# Altium PCB R2_EmberNet Pod Layout.PcbDoc (part 2 of 2)
Units mm, origin at the board's own origin, x right, y up, seen from the top; angles counter-clockwise.
Board outline 78.51 x 78.51 mm, 4 copper layers (Top Layer, Ground Layer, Power Layer, Bottom Layer), stack 0.844 mm thick; 158 components, 96 nets, 433 pads, 349 vias.
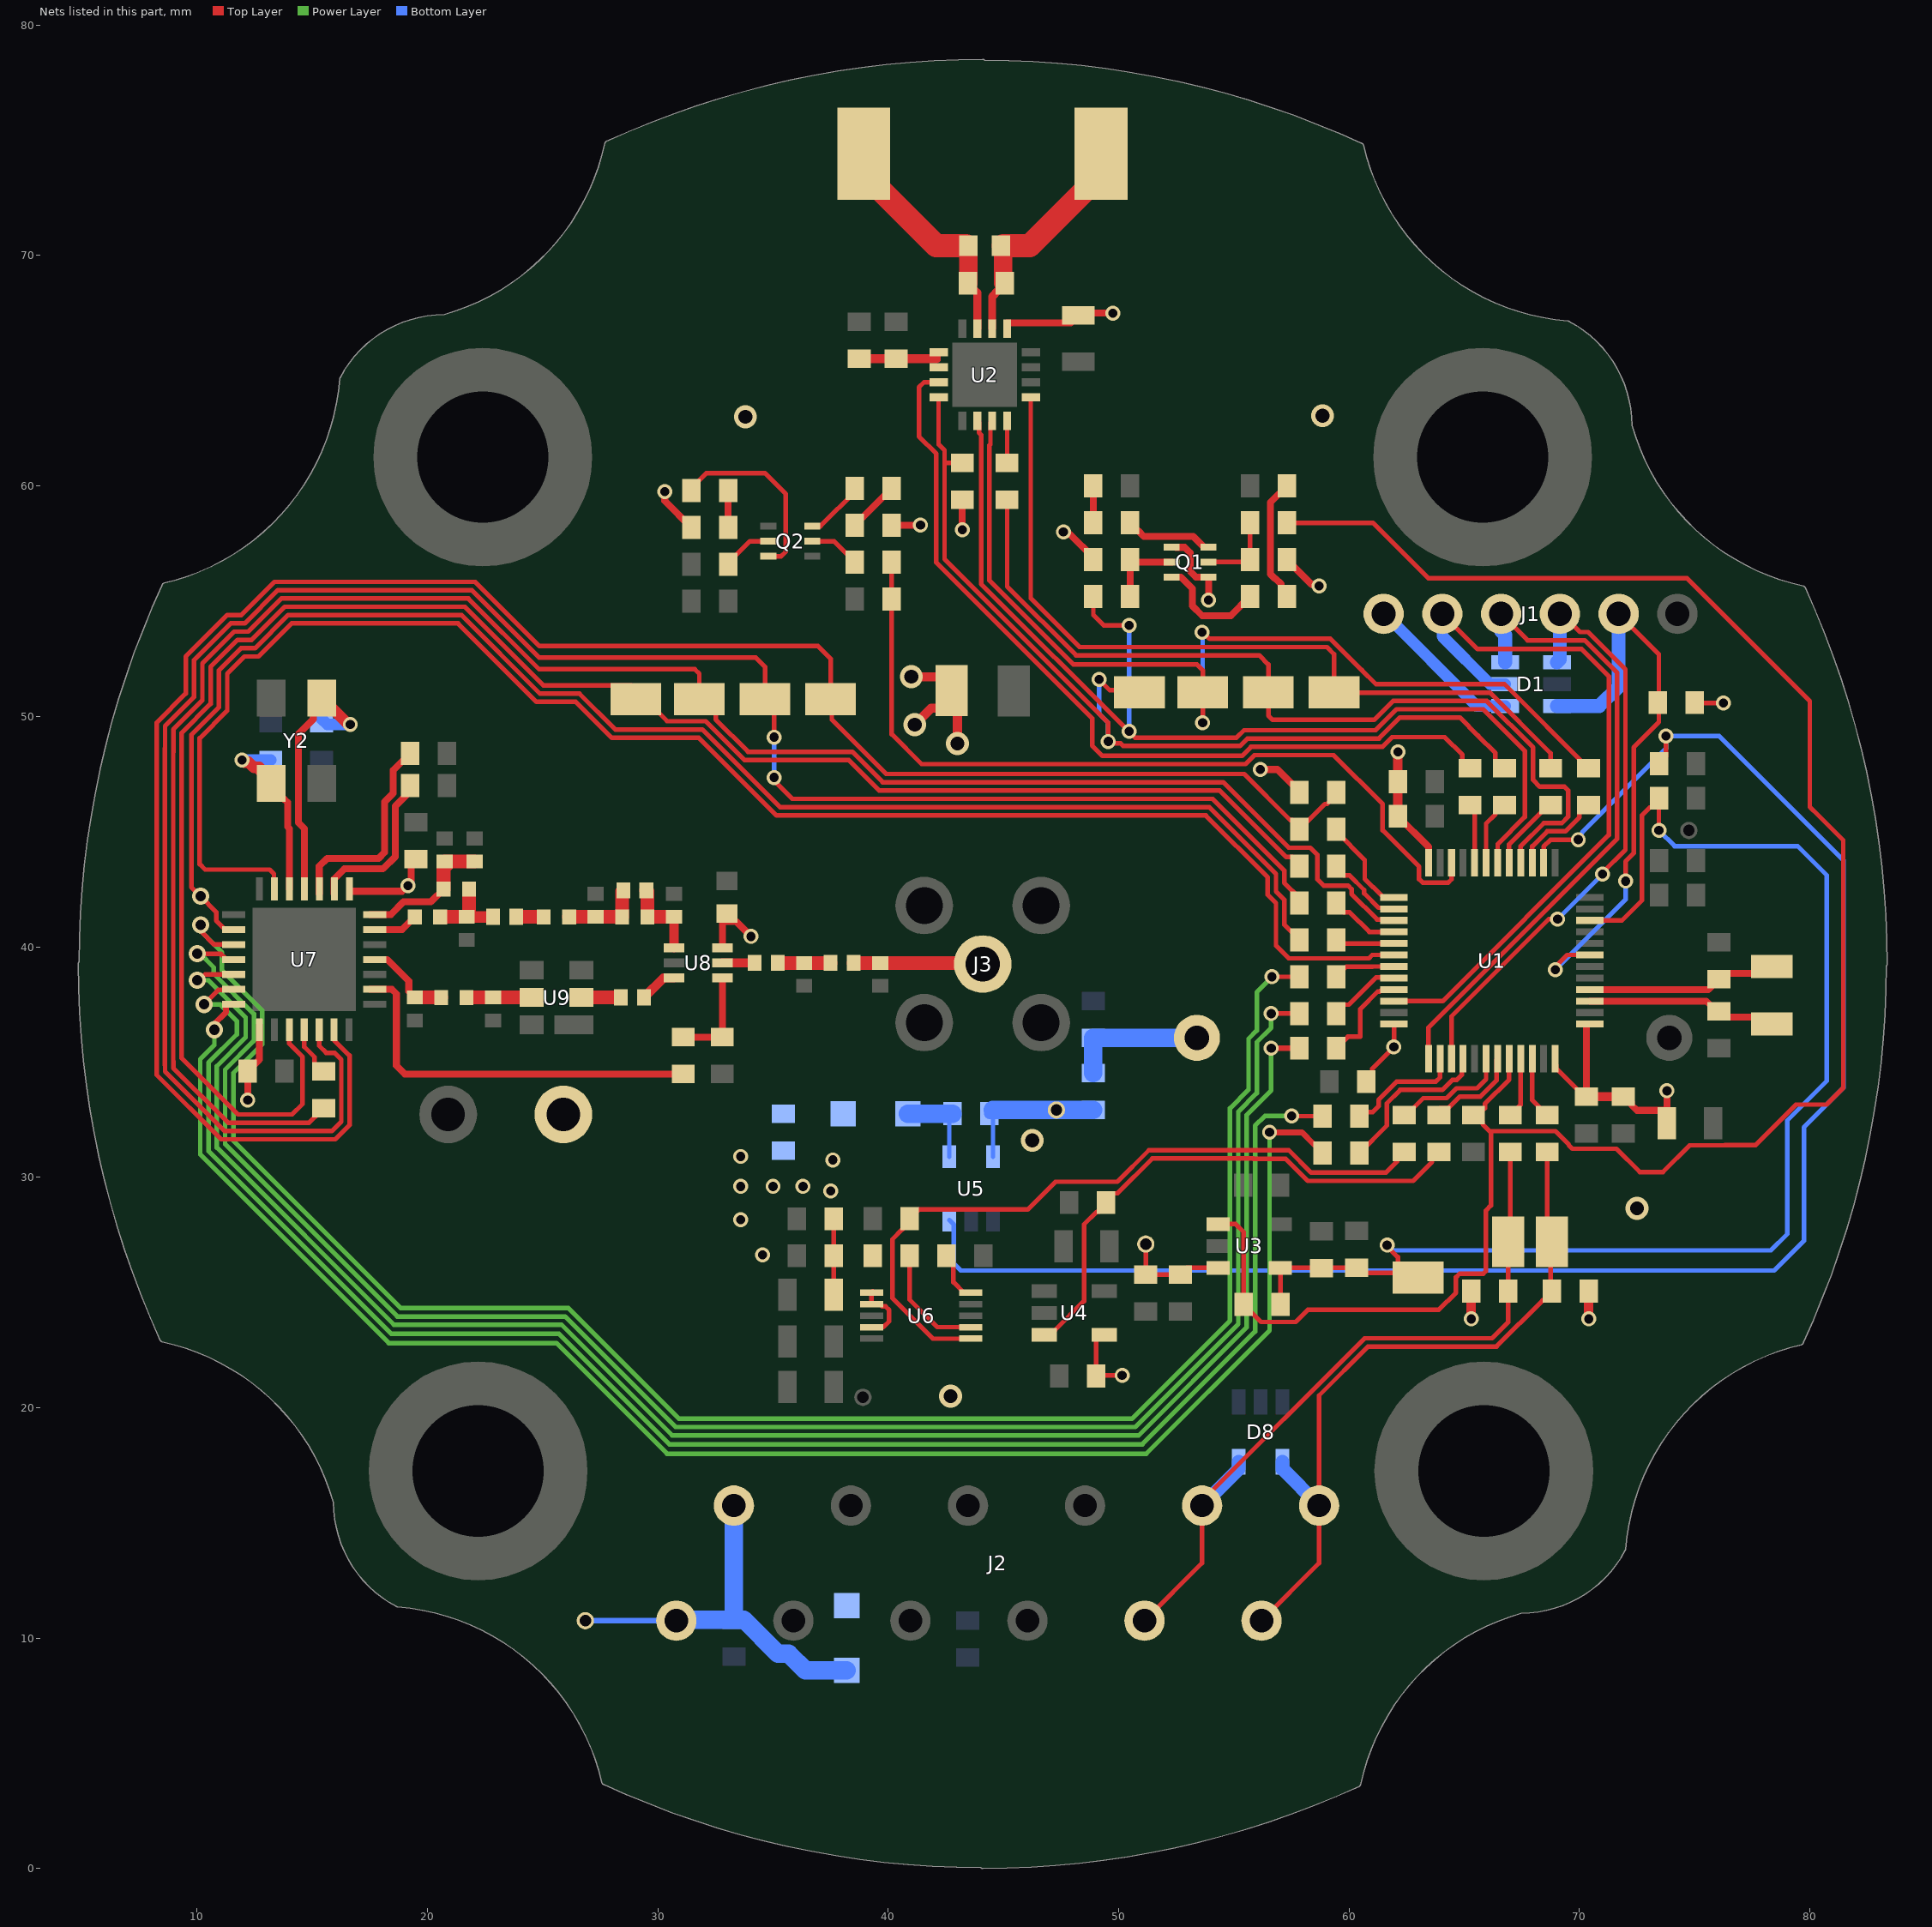
[diagram p4: the nets of this part, all layers, seen from the top]

## Via types
v1: diameter 0.65, hole 0.397, Top Layer to Bottom Layer, 266 vias
v2: diameter 0.8, hole 0.4, Top Layer to Bottom Layer, 51 vias
v3: diameter 1, hole 0.6, Top Layer to Bottom Layer, 17 vias
v4: diameter 0.7, hole 0.35, Top Layer to Bottom Layer, 9 vias
v5: diameter 0.75, hole 0.45, Top Layer to Bottom Layer, 6 vias

## Nets (pads, with @x,y where several pads share a name; then routed paths per layer and width w, separated by ;. In a path a pad name is that pad's centre, name@x,y a point inside that pad or via, vN(x,y) a via of type N, cw(c..) or ccw(c..) an arc to the next point about the centre after c; other vN are vias at no path point) (continued)
I2C_SCL: D8.5 J2.5 R4.1 R16.1 SCL.1 | length 33
  Top Layer w0.2: J2.5@51.12,10.75 53.62,13.25 J2.5@53.62,15.75 53.62,15.954 60.676,23.01 66.21,23.01 66.9,23.7 R16.1@66.9,25.05 SCL.1@66.9,27.192 67,27.292 R4.1@67,31.095
  Bottom Layer w0.2: J2.5@53.62,15.75 J2.5@53.9,15.75
  Bottom Layer w0.6: J2.5@53.62,15.75 55.214,17.344 D8.5@55.214,17.65
I2C_SDA: D8.4 J2.6 R5.1 R17.1 SDA.1 | length 31.7
  Top Layer w0.2: J2.6@56.2,10.75 58.7,13.25 J2.6@58.7,15.75 58.7,20.525 60.825,22.65 66.4,22.65 68.4,24.65 68.5,24.65 68.8,24.95 R17.1@68.8,25.05 68.75,25.1 68.75,26.768 68.8,26.818 SDA.1@68.8,27.15 ; R5.1@68.6,31.095 68.6,27.35 SDA.1@68.8,27.15 ; SDA.1@68.8,27.2 SDA.1@68.8,27.15
  Top Layer w0.35: R5.1@68.6,31.095 R5.1@68.68,31.095
  Bottom Layer w0.6: D8.4@57.114,17.65 57.114,17.336 J2.6@58.7,15.75
IO_DEBUG: R29.2 R31.2 U1.22 | length 36.5
  Top Layer w0.2: R29.2@40.15,56.7 R31.2@40.15,55.1 40.15,49.227 41.448,47.929 55.5,47.929 55.891,48.32 59.33,48.32 61.458,46.192 61.458,45.057 63.04,43.475 63.04,42.937 63.192,42.785 64.304,42.785 64.45,42.931 U1.22@64.45,43.645
iSENSE_ADC: C22.2 U1.14 U5.3 | length 76.4
  Top Layer w0.2: U1.14@68.45,43.645 68.45,44.349 68.751,44.65 v1(69.95,44.65) ; C22.2@73.45,47.95 73.75,48.25 v1(73.75,49.15)
  Bottom Layer w0.2: U5.3@42.647,28.141 42.847,27.941 42.847,26.247 43.144,25.95 78.451,25.95 79.743,27.242 79.743,32.168 81.455,33.879 81.455,43.753 76.058,49.15 v1(73.75,49.15) 73.75,48.6 70.117,44.967 70.117,44.939 69.95,44.772 v1(69.95,44.65)
LTNG_WDG: R24.2 U1.18 U2.10 | length 47.3
  Top Layer w0.2: U2.10@43.86,62.825 43.935,62.75 43.935,62.315 44.03,62.22 44.03,55.752 50.441,49.341 50.707,49.075 55.119,49.075 55.444,49.4 61.151,49.4 62.061,50.31 65.822,50.31 67.63,48.502 67.63,45.636 66.45,44.456 U1.18@66.45,43.645 ; R24.2@48.9,55.2 48.9,54.4 49.35,53.95 v1(50.45,53.95)
  Bottom Layer w0.2: v1(50.45,49.35) v1(50.45,53.95)
NetC9_2: C9.2 U1.3 Y1.2 | length 8.3
  Top Layer w0.3: U1.3@70.45,37.645 75.505,37.645 75.95,37.2 C9.2@76.05,37.2 76.3,36.95 78.05,36.95 Y1.2@78.35,36.65
NetC10_1: C10.1 U1.4 Y1.1 | length 8.3
  Top Layer w0.3: U1.4@70.45,38.145 75.595,38.145 C10.1@76.05,38.6 76.3,38.85 78.05,38.85 Y1.1@78.35,39.15
NetC12_1: C12.1 L1.1 R10.1 U2.3 | length 10.4
  Top Layer w0.2: L1.1@38.935,73.575 L1.1@38.935,74.425
  Top Layer w0.35: R10.1@43.45,68.8 43.86,68.39 U2.3@43.86,66.825
  Top Layer w0.8: R10.1@43.485,68.8 C12.1@43.485,70.425
  Top Layer w1: L1.1@38.935,73.575 42.083,70.427 C12.1@43.375,70.427
NetC12_2: C12.2 L1.2 R10.2 U2.2 | length 10.5
  Top Layer w0.2: L1.2@49.235,73.525 L1.2@49.235,74.425
  Top Layer w0.35: U2.2@44.51,66.825 44.51,68.214 ; R10.2@44.78,68.484 44.51,68.214 ; R10.2@45.05,68.8 44.51,68.214
  Top Layer w0.8: R10.2@44.985,68.8 C12.2@44.985,70.325
  Top Layer w1: C12.2@45,70.427 46.137,70.427 L1.2@49.235,73.525
NetC13_2: C13.2 C14.2 U2.5 U2.6 | length 3.8
  Top Layer w0.2: 42.085,65.575 42.185,65.475 U2.5@42.185,65.8
  Top Layer w0.4: C14.2@38.735,65.525 C13.2@40.335,65.525 42.085,65.525
NetC18_1: C18.1 D6.2 D7.2 F1.1 | length 0
  Bottom Layer w0.8: C18.1@25.9,32.725 C18.1@25.925,32.75
NetC29_2: C29.2 U7.3 | length 9
  Top Layer w0.3: U7.3@15.3,42.3 15.3,42.51 15.3,43.5 15.64,43.84 17.878,43.84 18.14,44.102 18.14,46.291 18.51,46.661 18.51,47.66 C29.2@19.25,48.4
NetC30_2: C30.2 U7.2 | length 7
  Top Layer w0.3: U7.2@15.95,42.3 15.95,42.938 16.392,43.38 18.069,43.38 18.6,43.911 18.6,46.1 19.25,46.75 C30.2@19.25,47
NetC33_2: C33.2 U7.4 Y2.3 | length 11.9
  Top Layer w0.3: 14.385,49.217 15.05,49.882 15.05,50.42 Y2.3@15.42,50.79 ; 14.4,49.217 14.4,45.387 14.66,45.127 U7.4@14.66,42.51
  Top Layer w0.5: Y2.3@15.42,50.79 16.56,49.65 v1(16.65,49.65)
  Bottom Layer w0.5: C33.2@15.4,49.9 15.65,49.65 v1(16.65,49.65)
NetC34_1: C34.1 U7.5 Y2.1 | length 8
  Top Layer w0.3: Y2.1@13.22,47.09 13.22,46.915 13.695,46.44 13.749,46.44 13.925,46.264 13.925,45.212 14.01,45.127 U7.5@14.01,42.51
  Top Layer w0.5: v1(11.95,48.1) 12.036,48.014 12.236,48.014 12.465,47.785 12.695,47.785 12.695,47.7 13.22,47.175 Y2.1@13.22,47.09
  Bottom Layer w0.5: v1(11.95,48.1) C34.1@13.2,48.1
NetC38_1: C38.1 C43.2 L5.2 U8.1 | length 3.7
  Top Layer w0.4: U8.1@30.7,39.96 C43.2@30.7,41.3
  Top Layer w0.6: C38.1@29.5,42.45 29.55,42.4 L5.2@29.55,41.3 C43.2@30.7,41.3
NetC38_2: C38.2 C42.2 L4.2 L5.1 | length 3.5
  Top Layer w0.6: L4.2@26.15,41.3 C42.2@27.3,41.3 L5.1@28.45,41.3 28.45,42.4 C38.2@28.5,42.45
NetC39_1: C39.1 C41.2 L2.1 L3.2 | length 3.5
  Top Layer w0.5: C41.2@21.7,41.3 C39.1@22.85,41.3
  Top Layer w0.6: L3.2@20.55,41.3 C41.2@21.7,41.3 21.8,41.4 L2.1@21.8,42.5
NetC39_2: C39.2 L4.1 | length 1.2
  Top Layer w0.6: C39.2@23.85,41.3 L4.1@25.05,41.3
NetC40_1: C40.1 C44.2 R39.2 | length 2.3
  Top Layer w0.6: C40.1@35.2,39.3 R39.2@37.5,39.3
NetC40_2: C40.2 U8.5 | length 1.4
  Top Layer w0.4: U8.5@32.795,39.3 U8.5@32.8,39.3 C40.2@34.2,39.3
NetC45_2: C45.2 J3.1 R39.1 | length 5.6
  Top Layer w0.6: R39.1@38.5,39.3 C45.2@39.65,39.3 44.05,39.3 J3.1@44.1,39.25
NetC46_1: C46.1 U8.3 | length 1.7
  Top Layer w0.4: C46.1@29.4,37.8 30.25,38.65 U8.3@30.7,38.65
NetC46_2: C46.2 U9.2 | length 1.7
  Top Layer w0.6: U9.2@26.685,37.8 C46.2@28.4,37.8
NetC47_2: C47.2 R40.1 U8.4 | length 4.3
  Top Layer w0.3: R40.1@31.1,36.08 C47.2@32.795,36.08 ; C47.2@32.8,36.09 U8.4@32.8,38.65
NetC49_2: C49.2 L6.2 U9.5 | length 2.8
  Top Layer w0.6: L6.2@21.7,37.8 C49.2@22.85,37.8 U9.5@24.525,37.8
NetD2_1: D2.1 R21.2 | length 2.4
  Top Layer w0.3: R21.2@38.55,58.3 38.55,58.4 38.8,58.65 38.9,58.65 39.8,59.55 39.9,59.55 40.15,59.8 D2.1@40.15,59.9
NetD2_2: D2.2 Q2.6 | length 2.6
  Top Layer w0.2: Q2.6@36.7,58.25 37.05,58.25 D2.2@38.625,59.825
NetD3_1: D3.1 R22.2 | length 1.6
  Top Layer w0.3: R22.2@33.05,58.2 D3.1@33.05,59.8
NetD3_2: D3.2 Q2.3 | length 8
  Top Layer w0.2: D3.2@31.5,59.95 32.11,60.56 34.64,60.56 35.55,59.65 35.55,57.15 35.35,56.95 Q2.3@34.8,56.95
NetD4_1: D4.1 R26.2 | length 1.6
  Top Layer w0.3: R26.2@48.9,58.4 D4.1@48.9,60
NetD5_1: D5.1 R27.2 | length 5.5
  Top Layer w0.3: R27.2@57.3,55.2 57.05,55.45 57.05,55.74 56.8,55.99 56.772,55.99 56.59,56.172 56.59,59.29 56.95,59.65 57.05,59.65 57.3,59.9 D5.1@57.3,60
NetD7_1: D7.1 R33.2 U5.4 | length 3.7
  Bottom Layer w0.2: U5.4@42.647,30.891 R33.2@42.647,32.616
  Bottom Layer w0.8: D7.1@40.85,32.75 R33.2@42.797,32.75
NetQ1_2: Q1.2 R20.1 R24.1 | length 3.4
  Top Layer w0.3: R24.1@50.5,55.2 R20.1@50.5,56.8 50.6,56.7 51.7,56.7 Q1.2@52.3,56.7
NetQ1_3: Q1.3 R27.1 | length 4.9
  Top Layer w0.3: Q1.3@52.3,56.05 52.7,56.05 53.2,55.55 53.2,54.795 53.62,54.375 54.875,54.375 R27.1@55.7,55.2
NetQ1_5: Q1.5 R23.1 R25.1 | length 3.4
  Top Layer w0.2: Q1.5@53.9,56.7 55.6,56.7 R23.1@55.7,56.8 R25.1@55.7,58.4
NetQ1_6: Q1.6 R26.1 | length 3.9
  Top Layer w0.3: R26.1@50.5,58.4 50.5,58.3 50.75,58.05 50.85,58.05 51.09,57.81 53.24,57.81 53.7,57.35 Q1.6@53.9,57.35
NetQ2_2: Q2.2 R28.1 | length 2.2
  Top Layer w0.2: R28.1@33.05,56.6 33.05,56.65 34,57.6 Q2.2@34.8,57.6
NetQ2_5: Q2.5 R29.1 | length 2.2
  Top Layer w0.2: Q2.5@36.7,57.6 37.65,57.6 R29.1@38.55,56.7
NetR1_2: R1.2 U1.19 | length 2.9
  Top Layer w0.2: U1.19@65.95,43.645 65.95,45.35 66.35,45.75 66.35,45.85 66.65,46.15 R1.2@66.75,46.15
NetR2_1: R2.1 U1.15 | length 4
  Top Layer w0.2: U1.15@67.95,43.645 67.95,44.358 68.602,45.01 69.387,45.01 70,45.623 70,45.85 70.3,46.15 R2.1@70.4,46.15
NetR3_1: R3.1 U1.17 | length 3.3
  Top Layer w0.2: U1.17@66.95,43.645 66.95,44.447 68.35,45.847 68.35,45.85 68.65,46.15 R3.1@68.75,46.15
NetR4_2: R4.2 U1.45 | length 2.6
  Top Layer w0.2: R4.2@67,32.695 67.45,33.145 U1.45@67.45,35.145
NetR5_2: R5.2 U1.46 | length 2.7
  Top Layer w0.2: U1.46@67.95,35.145 67.95,33.345 R5.2@68.6,32.695
NetR6_2: R6.2 U1.25 | length 4.3
  Top Layer w0.2: R6.2@59.45,45.1 59.45,45 60.684,43.766 60.684,42.947 61.06,42.571 61.074,42.571 61.5,42.145 U1.25@61.95,42.145
NetR7_2: R7.2 U1.26 | length 3.4
  Top Layer w0.2: R7.2@59.45,43.495 59.45,43.395 59.75,43.095 60.027,43.095 60.655,42.467 60.655,42.323 61.282,41.695 61.9,41.695 U1.26@61.95,41.645
NetR8_2: R8.2 U1.28 | length 3.1
  Top Layer w0.2: R8.2@59.45,41.895 59.45,41.795 59.75,41.495 60.032,41.495 60.882,40.645 U1.28@61.95,40.645
NetR11_2: R11.2 U2.12 | length 1.8
  Top Layer w0.2: R11.2@45.16,61 U2.12@45.16,62.825
NetR12_1: R12.1 R13.2 TP1.1 U3.3 | length 4.6
  Top Layer w0.2: TP1.1@51.175,27.1 R12.1@51.175,25.778 R13.2@52.675,25.778 52.963,26.066 U3.3@54.32,26.066
NetR33_1: R33.1 R34.1 TP7.1 U5.5 | length 6.5
  Bottom Layer w0.2: R33.1@44.397,32.766 44.547,32.616 U5.5@44.547,30.891
  Bottom Layer w0.5: R33.1@44.397,32.766 R33.1@44.546,32.915
  Bottom Layer w0.8: R33.1@44.546,32.915 R34.1@48.9,32.915
NetR35_2: R35.2 U6.2 | length 5
  Top Layer w0.2: R35.2@40.927,26.592 40.927,24.692 42.127,23.492 U6.2@43.577,23.492
NetR37_2: R37.2 U6.5 | length 2.4
  Top Layer w0.2: R37.2@42.527,26.392 R37.2@42.527,26.592 42.827,26.292 42.827,25.442 43.277,24.992 U6.5@43.577,24.992
NetR38_2: R38.2 U7.18 | length 2.4
  Top Layer w0.2: U7.18@14.65,36.6 U7.18@14.65,36.4 14.65,35.659 15.1,35.209 15.1,34.9 15.4,34.6 R38.2@15.5,34.6
NetR41_2: R41.2 U1.40 | length 7.1
  Top Layer w0.2: R41.2@60.45,31.05 61.64,32.24 61.64,33.208 62.222,33.79 64.049,33.79 64.479,34.22 64.67,34.22 64.9,34.45 64.9,35.05 64.95,35.1 U1.40@64.95,35.145
NetR42_1: R42.1 U1.29 | length 2.6
  Top Layer w0.2: R42.1@59.45,40.3 59.605,40.145 U1.29@61.95,40.145
NetR43_1: R43.1 U1.31 | length 2.7
  Top Layer w0.2: R43.1@59.45,38.7 59.89,39.14 61.012,39.14 61.017,39.145 U1.31@61.95,39.145
NetR44_1: R44.1 U1.32 | length 3.2
  Top Layer w0.2: R44.1@59.45,37.1 59.45,37.187 59.75,37.487 59.987,37.487 61.167,38.667 61.678,38.667 61.7,38.645 U1.32@61.95,38.645
NetR45_1: R45.1 U1.33 | length 4.3
  Top Layer w0.2: R45.1@59.45,35.6 59.95,36.1 60.49,36.1 60.49,37.303 61.242,38.055 61.333,38.055 61.373,38.095 61.9,38.095 U1.33@61.95,38.145
NetR46_1: R46.1 U1.38 | length 5.2
  Top Layer w0.2: R46.1@60.45,32.65 60.633,32.833 61.033,32.833 61.28,33.08 61.28,33.357 62.073,34.15 63.767,34.15 63.95,34.333 U1.38@63.95,35.145
NetR47_2: R47.2 U1.20 | length 2.6
  Top Layer w0.2: R47.2@65.25,46.15 65.45,45.95 U1.20@65.45,43.645
NetR48_2: R48.2 U1.42 | length 5.1
  Top Layer w0.2: R48.2@62.446,32.654 63.222,33.43 64.235,33.43 64.665,33.86 65.554,33.86 65.95,34.256 U1.42@65.95,35.145
NetR49_2: R49.2 U1.43 | length 4.3
  Top Layer w0.2: R49.2@63.953,32.647 63.953,32.995 64.309,32.995 64.814,33.5 65.704,33.5 66.4,34.196 66.4,35.095 U1.43@66.45,35.145
NRST: D1.3 J1.5 R9.1 U1.7 | length 26.1
  Top Layer w0.2: v1(68.95,39) 68.95,39.128 69.467,39.645 U1.7@70.45,39.645 ; J1.5@71.7,54.45 73.45,52.7 73.45,49.75 72.355,48.655 72.355,44.061 72,43.706 v1(72,42.85)
  Bottom Layer w0.2: v1(68.95,39) 72,42.05 v1(72,42.85)
  Bottom Layer w0.6: D1.3@69.025,50.45 70.857,50.45 71.7,51.293 J1.5@71.7,54.45
PA_BOOST: L3.1 U7.27 | length 2.2
  Top Layer w0.3: U7.27@17.5,40.75 18.295,40.75 18.298,40.752 18.902,40.752 L3.1@19.45,41.3
REF_EN: R32.2 R49.1 U4.3 | length 23.5
  Top Layer w0.2: U4.3@46.768,23.158 47.018,23.158 47.218,23.358 47.236,23.358 48.5,24.622 48.5,27.95 49.05,28.5 49.15,28.5 49.45,28.8 R32.2@49.45,28.9 49.45,29 49.75,29.3 49.95,29.3 51.46,30.81 55.835,30.81 55.85,30.795 57.255,30.795 58.21,29.84 62.782,29.84 63.6,30.658 63.6,30.795 63.813,31.008 63.95,31.008 64,31.058 R49.1@64,31.095
RFI: C48.2 L6.1 U7.25 | length 4
  Top Layer w0.3: U7.25@17.5,39.45 U7.25@17.71,39.45 18.25,39.45 19.19,38.51 19.19,38.06 C48.2@19.45,37.8
  Top Layer w0.6: C48.2@19.45,37.8 L6.1@20.6,37.8
RXTX: R40.2 U7.23 | length 16.9
  Top Layer w0.3: U7.23@17.5,38.15 U7.23@17.71,38.15 18.46,38.15 18.65,37.96 18.65,34.845 19.015,34.48 R40.2@31.1,34.48
SENSORS_EN: R36.2 R48.1 U6.1 | length 31.4
  Top Layer w0.2: U6.1@43.577,22.992 41.936,22.992 40.177,24.752 40.177,27.3 40.627,27.75 40.627,27.9 R36.2@40.927,28.2 41.327,28.6 46.056,28.6 46.381,28.925 46.385,28.925 47.26,29.8 49.941,29.8 51.311,31.17 57.389,31.17 58.359,30.2 61.6,30.2 62.092,30.692 62.092,30.8 62.392,31.1 R48.1@62.4,31.1
SPI_AS3935_CLK: CLK_2.1 R2.2 U2.11 | length 43.3
  Top Layer w0.2: U2.11@44.51,62.825 44.435,62.75 44.435,61.809 44.39,61.764 44.39,55.901 48.041,52.25 53.4,52.25 53.65,52 CLK_2.1@53.65,51.05 53.65,49.728 v1(53.645,49.723) ; v1@53.62,53.7 53.95,53.37 59.189,53.37 60.549,52.01 60.558,52.01 61.168,51.4 66.75,51.4 R2.2@70.4,47.75
  Bottom Layer w0.2: v1(53.62,53.65) 53.645,53.625 v1(53.645,49.723)
SPI_AS3935_CS: CS_2.1 R1.1 R19.1 U2.8 | length 42.5
  Top Layer w0.2: U2.8@42.185,63.85 42.185,61.809 42.445,61.549 42.445,56.828 49.55,49.723 v1(49.55,48.914) 49.636,48.828 50.088,48.828 50.201,48.715 55.268,48.715 55.593,49.04 61.3,49.04 62.21,49.95 64.808,49.95 65.596,49.162 65.599,49.162 66.35,48.411 66.35,48.05 66.65,47.75 R1.1@66.75,47.75 ; 42.445,61 R19.1@43.215,61 ; v1(49.15,51.6) 49.617,51.133 50.817,51.133 CS_2.1@50.9,51.05
  Bottom Layer w0.2: v1(49.15,51.6) 49.15,50.123 49.55,49.723 v1(49.55,48.914)
SPI_AS3935_MISO: MISO_2.1 R11.1 U1.16 | length 39
  Top Layer w0.2: R11.1@45.16,59.4 45.16,55.641 48.151,52.65 56.1,52.65 56.5,52.25 MISO_2.1@56.5,51.05 56.5,50.037 56.687,49.85 61.092,49.85 61.911,50.67 65.971,50.67 67.99,48.651 67.99,47.242 68.282,46.95 69.35,46.95 69.51,46.79 69.51,45.642 69.238,45.37 68.453,45.37 67.45,44.367 U1.16@67.45,43.645
SPI_AS3935_MOSI: MOSI_2.1 R3.2 U2.13 | length 35.7
  Top Layer w0.2: U2.13@46.185,63.85 46.185,55.125 48.3,53.01 59.04,53.01 59.35,52.7 MOSI_2.1@59.35,51.05 59.37,51.03 66.12,51.03 68.75,48.4 R3.2@68.75,47.75
SPI_SX1272_CLK: CLK_1.1 R7.1 U7.17 | length 80.5
  Top Layer w0.2: U7.17@14,36.4 14,35.8 14.58,35.22 14.58,33.18 14.125,32.725 11.775,32.725 9.33,35.17 9.33,38.265 9.325,38.27 9.325,38.83 9.33,38.835 9.33,39.415 9.325,39.42 9.325,39.98 9.33,39.985 9.33,49.286 10.59,50.546 10.59,52.154 11.756,53.32 12.364,53.32 13.804,54.76 21.623,54.76 25.033,51.35 28.85,51.35 30.394,49.806 30.394,49.79 32.078,49.79 33.768,48.1 38.291,48.1 39.611,46.78 54.393,46.78 57.278,43.895 57.55,43.895 57.85,43.595 R7.1@57.85,43.495
SPI_SX1272_CS: CS_1.1 R6.1 R18.1 U7.20 | length 91.4
  Top Layer w0.2: U7.20@15.95,36.4 15.95,35.95 16.62,35.28 16.62,32.265 16,31.645 11.046,31.645 8.245,34.446 8.245,48.756 8.25,48.761 8.25,49.733 9.51,50.993 9.51,52.601 11.309,54.4 11.916,54.4 13.356,55.84 22.07,55.84 24.86,53.05 36.95,53.05 37.5,52.5 CS_1.1@37.5,50.75 37.9,50.75 37.55,50.4 37.55,49.859 39.909,47.5 55.45,47.5 57.45,45.5 57.55,45.5 57.85,45.2 R6.1@57.85,45.1 58.95,46.2 59.05,46.2 59.45,46.6 R18.1@59.45,46.7
SPI_SX1272_MISO: MISO_1.1 R38.1 U1.27 | length 86.2
  Top Layer w0.2: R38.1@15.325,33.175 15.325,32.825 14.865,32.365 11.344,32.365 8.97,34.739 8.97,35.021 8.965,35.026 8.965,48.458 8.97,48.463 8.97,49.435 10.23,50.695 10.23,52.303 11.607,53.68 12.215,53.68 13.655,55.12 21.772,55.12 24.842,52.05 31.6,52.05 31.8,51.85 MISO_1.1@31.8,50.75 31.91,50.75 32.51,50.15 32.51,49.867 33.917,48.46 38.44,48.46 39.76,47.14 54.542,47.14 57.382,44.3 58.313,44.3 58.627,43.985 58.627,42.923 58.895,42.655 59.958,42.655 60.11,42.503 60.11,42.29 61.215,41.185 61.91,41.185 U1.27@61.95,41.145
SPI_SX1272_MOSI: MOSI_1.1 R8.1 U7.19 | length 90.3
  Top Layer w0.2: U7.19@15.3,36.4 15.3,35.7 15.6,35.4 15.968,35.4 16.26,35.108 16.26,32.415 15.85,32.005 11.195,32.005 8.61,34.59 8.61,34.872 8.605,34.877 8.605,48.607 8.61,48.612 8.61,49.584 9.87,50.844 9.87,52.452 11.458,54.04 12.066,54.04 13.506,55.48 21.921,55.48 24.85,52.551 34.249,52.551 34.65,52.15 MOSI_1.1@34.65,50.75 34.933,50.75 35.05,50.867 v1(35.05,49.1) ; v1@35.085,47.385 35.085,47.165 35.83,46.42 54.081,46.42 57.19,43.311 57.19,42.781 57.85,42.121 R8.1@57.85,41.895
  Bottom Layer w0.2: v1(35.05,47.35) v1(35.05,49.1)
SWCLK: D1.6 J1.3 U1.37 | length 28.4
  Top Layer w0.2: U1.37@63.45,35.145 63.45,36.5 71.635,44.685 71.635,51.892 70.227,53.3 67.75,53.3 J1.3@66.6,54.45
  Bottom Layer w0.6: J1.3@66.6,54.45 66.6,53.7 66.775,53.525 D1.6@66.775,52.35
SWDIO: D1.5 J1.2 U1.34 | length 32.1
  Top Layer w0.2: U1.34@61.95,37.645 64.068,37.645 71.275,44.852 71.275,51.743 70.098,52.92 65.58,52.92 J1.2@64.05,54.45
  Bottom Layer w0.5: J1.2@64.05,54.45 64.05,53.475 66.125,51.4 D1.5@66.775,51.4
SWO: D1.1 J1.4 U1.39 | length 26.2
  Top Layer w0.2: U1.39@64.45,35.145 64.45,36.979 68.671,41.2 v1(69.054,41.2) ; J1.4@69.15,54.45 69.232,54.45 70.022,53.66 70.376,53.66 71.995,52.041 71.995,44.21 71,43.215 v1(71,43.15)
  Bottom Layer w0.2: v1(69.054,41.2) 71,43.146 v1(71,43.15)
  Bottom Layer w0.6: D1.1@69.025,52.35 69.15,52.475 J1.4@69.15,54.45
SX1272_DIO_0: R42.2 U7.9 | length 67.5
  Top Layer w0.2: U7.9@11.59,40.75 11.222,40.75 10.83,41.142 10.83,41.51 v5(10.15,42.19) 9.75,42.59 9.75,49.197 10.95,50.397 10.95,52.004 11.906,52.96 12.513,52.96 13.953,54.4 21.474,54.4 24.884,50.99 26.59,50.99 28.15,49.43 31.929,49.43 35.299,46.06 53.932,46.06 56.83,43.162 56.83,42.406 57.19,42.046 57.19,40.96 R42.2@57.85,40.3
SX1272_DIO_1: R43.2 U7.10 | length 79.8
  Top Layer w0.2: v5(10.15,40.95) 10.15,40.684 10.734,40.1 U7.10@11.59,40.1 ; v1(56.65,38.7) R43.2@57.85,38.7
  Power Layer w0.2: v5(10.15,40.95) 10.15,40.684 11.083,39.751 11.083,38.98 12.828,37.235 12.828,35.773 11.575,34.52 11.575,31.582 18.842,24.315 26.121,24.315 30.921,19.515 50.572,19.515 54.83,23.773 54.83,32.993 55.637,33.799 55.637,36.008 55.997,36.368 55.997,38.02 56.65,38.673 v1(56.65,38.7)
SX1272_DIO_2: R44.2 U7.11 | length 77.8
  Top Layer w0.2: v5(10,39.7) 10.01,39.69 11.033,39.69 11.19,39.533 11.19,39.5 11.24,39.45 U7.11@11.59,39.45 ; v1(56.622,37.1) R44.2@57.85,37.1
  Power Layer w0.2: v5(10,39.7) 10.131,39.7 10.723,39.108 10.723,38.831 12.468,37.086 12.468,35.922 11.215,34.669 11.215,31.433 18.693,23.955 25.972,23.955 30.772,19.155 50.722,19.155 55.19,23.623 55.19,32.844 55.997,33.65 55.997,35.859 56.622,36.484 v1(56.622,37.1)
SX1272_DIO_3: R45.2 U7.12 | length 76.2
  Top Layer w0.2: v5(10,38.55) 10.092,38.55 10.342,38.8 U7.12@11.59,38.8
  Top Layer w0.25: v1(56.622,35.6) R45.2@57.85,35.6
  Power Layer w0.2: v5(10,38.55) 10.494,38.55 12.108,36.937 12.108,36.071 10.855,34.818 10.855,31.284 18.544,23.595 25.823,23.595 30.623,18.795 50.871,18.795 55.55,23.474 55.55,32.694 56.622,33.766 v1(56.622,35.6)
SX1272_DIO_4: R46.2 U7.13 | length 74.2
  Top Layer w0.2: v5(10.3,37.5) 10.933,38.133 11.573,38.133 U7.13@11.59,38.15 ; v1(57.509,32.654) 57.513,32.65 R46.2@58.85,32.65
  Power Layer w0.2: v5(10.3,37.5) 11,37.5 11.7,36.8 11.7,36.792 11.723,36.769 11.723,36.195 10.495,34.968 10.495,31.135 18.42,23.21 25.699,23.21 30.499,18.41 51.03,18.41 55.925,23.305 55.925,32.233 56.346,32.654 v1(57.509,32.654)
SX1272_DIO_5: R41.1 U7.14 | length 72.8
  Top Layer w0.25: v5(10.75,36.4) 10.973,36.4 10.731,36.641 11.25,37.16 11.25,37.475 11.275,37.5 U7.14@11.59,37.5 ; v1@56.56,31.94 57.96,31.94 58.475,31.425 58.575,31.425 58.75,31.25 R41.1@58.75,31.15
  Top Layer w0.5: v1(56.55,31.95) v1@56.56,31.94
  Power Layer w0.2: v5(10.75,36.4) 10.75,35.732 10.135,35.117 10.135,30.986 18.321,22.8 25.6,22.8 30.4,18 51.2,18 56.55,23.35 v1(56.55,31.95)
SX1272_NRST: U1.30 U7.6 | length 72
  Top Layer w0.2: U7.6@13.36,42.51 13.338,42.532 13.338,43.162 13.15,43.35 10.35,43.35 10.115,43.585 10.115,49.053 11.31,50.247 11.31,51.855 12.055,52.6 12.662,52.6 14.102,54.04 21.325,54.04 24.735,50.63 26.441,50.63 28.001,49.07 31.78,49.07 35.15,45.7 53.783,45.7 56.47,43.013 56.47,42.257 56.83,41.897 56.83,40.052 57.382,39.5 60.863,39.5 61.008,39.645 U1.30@61.95,39.645
TEMP_ADC: C17.2 R14.1 R15.2 RT1.1 TP2.1 U1.10 U3.4 | length 62
  Top Layer w0.2: R14.1@57.025,24.478 57.025,26.061 U3.4@57.02,26.066 57.032,26.078 RT1.1@60.325,26.078 60.548,25.854 62.1,25.854 62.304,25.65 62.717,25.65 62.117,26.25 62.117,26.533 61.6,27.05 v1(61.65,27.05) ; TP2.1@63,25.65 63.362,25.65 63.962,26.25 TP2.1@63.35,26.25 ; U1.10@70.45,41.145 71.841,41.145 72.715,42.019 72.715,45.715 73.05,46.05 73.15,46.05 73.45,46.35 v1(73.45,45.05)
  Bottom Layer w0.2: v1(61.65,27.05) 61.875,26.825 78.308,26.825 79.023,27.54 79.023,32.466 80.735,34.177 80.735,43.106 79.476,44.365 77.192,44.365 77.187,44.37 74.13,44.37 v1(73.45,45.05)
TEMP_WDG: C16.2 R14.2 R25.2 U1.44 U3.1 | length 88.1
  Top Layer w0.2: U3.1@54.32,27.966 55.081,27.966 55.425,27.621 R14.2@55.425,24.478 ; R14.2@55.653,24.25 R14.2@55.425,24.478 ; R25.2@57.3,58.4 61.037,58.4 63.437,56 74.664,56 80,50.664 80,46.075 80.362,45.713 81.45,44.625 81.45,33.875 80.725,33.15 79.4,33.15 77.65,31.4 76.323,31.4 76.308,31.385 74.785,31.385 73.62,30.22 72.622,30.22 71.607,31.235 69.692,31.235 69.54,31.387 69.54,31.423 68.963,32 66.1,32 ; C16.2@65.4,32.7 C16.2@65.5,32.7 ; U1.44@66.95,35.145 66.95,34.237 65.9,33.187 65.9,33 65.6,32.7 C16.2@65.5,32.7 ; R14.2@55.425,24.478 55.425,24.475 56.182,23.718 57.685,23.718 58.217,24.25 63.9,24.25 64.64,24.99 64.64,25.658 64.792,25.81 65.823,25.81 65.94,25.927 65.94,28.556 66.16,28.776 66.16,31.94 66.1,32 ; C16.2@65.5,32.7 65.8,32.4 65.8,32.3 66.1,32
VBAT: C1.2 C2.2 C3.2 C4.2 C5.2 C6.2 C11.2 C19.2 C24.2 C25.2 C26.2 C31.2 C32.2 C37.2 D1.4 F1.2 J1.1 Q1.1 Q1.4 R9.2 R16.2 R17.2 R18.2 R19.2 R20.2 R21.1 R22.1 R23.2 R35.1 U1.1 U1.24 U1.36 U1.48 U2.1 U4.4 U6.6 U6.7 U6.9 U7.1 U7.15 U8.6 VBAT.1 | length 73.9
  Top Layer w0.2: C24.2@37.627,24.892 C26.2@37.627,26.592 C25.2@37.627,28.192 ; U6.9@39.277,23.492 39.784,23.492 40.037,23.745 40.037,24.24 39.884,24.392 39.737,24.392 39.637,24.492 U6.7@39.277,24.492 U6.6@39.277,24.992 U6.6@39.327,25.042 ; VBAT.1@42.15,51.72 VBAT.1@42.75,51.12 ; U4.4@49.368,23.158 49.105,23.158 49.025,23.078 C19.2@49.025,21.378 49.047,21.4 v1(50.15,21.4) ; C4.2@60.7,34.15 61,34.45 61,34.7 61.95,35.65 U1.36@61.95,36.645 ; U1.48@68.95,35.145 68.95,34.9 69,34.85 69,34.717 70.222,33.495 C3.2@70.3,33.495 ; R9.2@75,50.578 v1(76.25,50.578)
  Top Layer w0.3: v1(12.2,33.35) C32.2@12.2,34.6 12.7,35.1 U7.15@12.7,36.4 U7.15@12.7,36.6 ; U7.1@16.71,42.41 18.91,42.41 v1(19.15,42.65) ; v1@19.3,42.8 C31.2@19.3,43.8 ; v1(30.3,59.75) 30.3,59.35 R22.1@31.45,58.2 ; U8.6@32.8,39.95 32.8,41.1 33.395,41.1 v1(34.045,40.45) ; R21.1@40.15,58.3 v1(41.4,58.3) ; v1(43.215,58.1) R19.2@43.215,59.4 ; U2.1@45.145,67.075 47.925,67.075 C11.2@48.25,67.4 48.35,67.5 v1(49.75,67.5) ; v1(47.6,58) 47.6,57.905 47.888,57.905 48.9,56.893 R20.2@48.9,56.8 ; Q1.1@52.3,57.35 52.5,57.35 52.5,57.336 52.864,57.336 53.105,57.095 53.105,56.296 53.351,56.05 Q1.4@53.9,56.05 v1(53.9,55.05) ; v1(56.15,47.695) 56.883,47.695 56.888,47.7 57.85,46.738 R18.2@57.85,46.7 ; R23.2@57.3,56.8 57.3,56.7 57.4,56.7 58.375,55.725 58.633,55.725 v1(58.7,55.658) ; C5.2@62.118,45.665 63.45,44.333 U1.24@63.45,43.645 ; C3.2@70.3,33.495 70.3,36.645 U1.1@70.45,36.645 ; C2.2@71.9,33.495 72,33.495 72.25,33.245 72.25,33.145 72.495,32.9 73.65,32.9 C1.2@73.8,32.75 ; v1(73.8,33.75) C1.2@73.8,32.75 ; C1.2@73.8,32.75 C1.2@73.8,32.345 C1.2@73.8,32.75
  Top Layer w0.4: v3(41,51.72) VBAT.1@42.15,51.72 ; v3(41.15,49.643) 41.867,50.361 VBAT.1@42.15,50.361 ; v3(43,48.82) VBAT.1@43,51.05 ; C5.2@62.118,45.665 C6.2@62.118,47.165 v1(62.118,48.465) ; v1(65.3,23.85) R16.2@65.3,25.05 ; C3.2@70.3,33.495 C2.2@71.9,33.495 ; v1(70.4,23.85) R17.2@70.4,25.05
  Bottom Layer w0.3: v1(19.15,42.65) v1@19.3,42.8
  Bottom Layer w0.5: J1.1@61.5,54.45 61.541,54.45 65.541,50.45 D1.4@66.775,50.45
  other v1: 34.54,26.634 33.6,28.15 37.5,29.4 33.6,29.6 35,29.6 36.3,29.6 37.6,30.75 33.6,30.9 61.946,35.654
  other v3: 42.7,20.5 72.495,28.65 46.25,31.6 33.8,63 58.85,63.05
VBAT_PR_IN: C21.2 D6.1 J2.1 TP6.1 | length 17.2
  Bottom Layer w0.25: TP6.1@26.85,10.75 J2.1@30.8,10.75
  Bottom Layer w0.8: J2.1@30.8,10.75 30.85,10.8 C21.2@33.3,10.8 ; J2.1@33.3,15.75 C21.2@33.3,10.8 ; D6.1@38.2,8.6 36.4,8.6 35.685,9.315 35.216,9.315 33.731,10.8 C21.2@33.3,10.8
VBAT_SEC_IN: BAT1.1 C23.2 R34.2 | length 6
  Bottom Layer w0.8: R34.2@48.9,34.515 C23.2@48.9,36.05 49,36.05 BAT1.1@53.4,36.05
VR_PA: C35.1 C36.2 L2.2 U7.28 | length 6.2
  Top Layer w0.3: U7.28@17.51,41.4 U7.28@17.71,41.4 18.41,41.4 18.96,41.95 20.15,41.95 L2.2@20.7,42.5
  Top Layer w0.5: C35.1@20.75,43.7 C35.1@20.9,43.55
  Top Layer w0.6: L2.2@20.7,42.5 C35.1@20.7,43.55 ; C35.1@20.75,43.7 C36.2@22.05,43.7
VREG_EN: R47.1 U2.7 | length 37.4
  Top Layer w0.2: U2.7@42.185,64.5 41.55,64.5 41.335,64.285 41.335,62.15 42.085,61.4 42.085,56.679 48.85,49.914 48.85,48.73 49.291,48.289 55.351,48.289 55.742,48.68 61.449,48.68 61.869,49.1 64.15,49.1 64.917,48.333 64.917,48.05 65.2,48.05 65.25,48 R47.1@65.25,47.75
pads on no net: D8.1 D8.3 U1.2 U1.5 U1.6 U1.11 U1.12 U1.13 U1.21 U1.41 U4.1 U6.3 U7.7 U7.8 U7.21 U7.24

## Polygon pours and split planes (outlines as drawn)
NetC18_1 on Bottom Layer "Bottom Layer-No Net" (solid, pour order 0): 37,10 37.05,10.05 39.7,10.05 39.7,12.3 41.6,14.2 41.6,17.552 41.6,31.937 40.1,33.9 23.55,33.9 23.55,24 37,10.55
GND on Bottom Layer "GND - Bottom layer main" (solid, remove dead copper, pour order 10): 28.386,74.44 29.246,75.3 32.05,75.3 33.55,76.8 34,76.8 35.5,77.15 51.75,77.5 54.75,75.85 57.65,75.85 59.35,74.15 59.55,74.15 60.05,73.65 60.7,73.65 60.7,71.45 64.4,67.75 66.1,67.75 66.9,66.95 69.35,66.95 71.65,64.65 71.65,62 72.8,60.85 72.8,59.25 76.15,55.9 78.2,55.9 80.35,53.75 80.35,52.2 81.25,51.3 81.25,47.745 82.4,46.595 82.4,32.8 81.4,31.8 81.4,28.25 80.15,27 80.15,24.8 77.842,22.492 75.9,22.492 72.6,19.192 72.6,17.6 71.25,16.25 71.25,13.7 69.3,11.75 66.7,11.75 65.55,10.6 64.45,10.6 60.25,6.4 60.25,4.5 59.05,3.3 56.85,3.3 55.65,2.1 52.65,2.1 51.75,1.2 36.1,1.2 34.9,2.4 33.85,2.4 33.4,2.85 31.5,2.85 30.6,3.75 29.2,3.75 27.5,5.45 27.5,7.2 23.45,11.25 22.75,11.25 22.2,11.8 18.6,11.8 16.95,13.45 16.95,15.45 16.2,16.2 16.2,18.35 11.384,23.166 9.25,23.166 8.6,23.816 8.6,25.5 7.25,26.85 7.25,29.5 6.15,30.6 6.15,47.8 7.4,49.05 7.4,52.3 8.95,53.85 8.95,54.85 9.55,55.45 11.1,55.45 16.3,60.65 16.3,63.15 16.5,63.35 16.5,64.175 19.025,66.7 21.7,66.7 23.203,68.203 24.73,68.203 27.15,70.623 27.15,71.4 28.386,72.636
GND on Top Layer "GND - Top layer main" (solid, remove dead copper, pour order 8): 28.336,74.39 29.196,75.25 32,75.25 33.5,76.75 33.95,76.75 35.45,77.1 51.7,77.45 54.7,75.8 57.6,75.8 59.3,74.1 59.5,74.1 60,73.6 60.65,73.6 60.65,71.4 64.35,67.7 66.05,67.7 66.85,66.9 69.3,66.9 71.6,64.6 71.6,61.95 72.75,60.8 72.75,59.2 76.1,55.85 78.15,55.85 80.3,53.7 80.3,52.15 81.2,51.25 81.2,47.695 82.35,46.545 82.35,32.75 81.35,31.75 81.35,28.2 80.1,26.95 80.1,24.75 77.792,22.442 75.85,22.442 72.55,19.142 72.55,17.55 71.2,16.2 71.2,13.65 69.25,11.7 66.65,11.7 65.5,10.55 64.4,10.55 60.2,6.35 60.2,4.45 59,3.25 56.8,3.25 55.6,2.05 52.6,2.05 51.7,1.15 36.05,1.15 34.85,2.35 33.8,2.35 33.35,2.8 31.45,2.8 30.55,3.7 29.15,3.7 27.45,5.4 27.45,7.15 23.4,11.2 22.7,11.2 22.15,11.75 18.55,11.75 16.9,13.4 16.9,15.4 16.15,16.15 16.15,18.3 11.334,23.116 9.2,23.116 8.55,23.766 8.55,25.45 7.2,26.8 7.2,29.45 6.1,30.8 5.95,47.25 7.35,49 7.35,52.25 8.9,53.8 8.9,54.8 9.5,55.4 11.05,55.4 16.25,60.6 16.25,63.1 16.45,63.3 16.45,64.125 18.975,66.65 21.65,66.65 23.153,68.153 24.68,68.153 27.1,70.573 27.1,71.35 28.336,72.586
GND on Ground Layer "GND - Ground plane" (solid, pour order 12): 28.436,74.34 29.296,75.2 32.1,75.2 33.6,76.7 34.05,76.7 35.55,77.05 51.8,77.4 54.8,75.75 57.7,75.75 59.4,74.05 59.6,74.05 60.1,73.55 60.75,73.55 60.75,71.35 64.45,67.65 66.15,67.65 66.95,66.85 69.4,66.85 71.7,64.55 71.7,61.9 72.85,60.75 72.85,59.15 76.2,55.8 78.25,55.8 80.4,53.65 80.4,52.1 81.3,51.2 81.3,47.645 82.45,46.495 82.45,32.7 81.45,31.7 81.45,28.15 80.2,26.9 80.2,24.7 77.892,22.392 75.95,22.392 72.65,19.092 72.65,17.5 71.3,16.15 71.3,13.6 69.35,11.65 66.75,11.65 65.6,10.5 64.5,10.5 60.3,6.3 60.3,4.4 59.1,3.2 56.9,3.2 55.7,2 52.7,2 51.8,1.1 36.15,1.1 34.95,2.3 33.9,2.3 33.45,2.75 31.55,2.75 30.65,3.65 29.25,3.65 27.55,5.35 27.55,7.1 23.5,11.15 22.8,11.15 22.25,11.7 18.65,11.7 17,13.35 17,15.35 16.25,16.1 16.25,18.25 11.434,23.066 9.3,23.066 8.65,23.716 8.65,25.4 7.3,26.75 7.3,29.4 5.95,31.3 5.95,47.2 7.45,48.95 7.45,52.2 9,53.75 9,54.75 9.6,55.35 11.15,55.35 16.35,60.55 16.35,63.05 16.55,63.25 16.55,64.075 19.075,66.6 21.75,66.6 23.253,68.103 24.78,68.103 27.2,70.523 27.2,71.3 28.436,72.536
VBAT on Power Layer "VBAT - Power plane" (solid, remove dead copper, pour order 18): 28.438,74.387 29.502,74.897 32.102,75.247 33.477,76.172 34.052,76.747 35.752,76.947 51.802,77.192 54.802,75.797 57.502,75.597 59.402,74.097 59.602,74.097 60.102,73.597 60.507,73.342 60.752,71.397 64.452,67.697 66.052,67.347 66.952,66.897 69.352,66.497 71.302,64.547 71.702,61.947 72.502,60.597 72.852,59.197 76.202,55.847 78.102,55.397 80.052,53.647 80.402,52.147 80.927,51.222 81.302,47.692 82.152,46.597 82.452,32.747 81.452,31.747 81.452,28.197 80.202,26.947 80.202,24.747 77.895,22.439 75.952,22.439 72.652,19.139 72.652,17.547 71.302,16.197 71.302,13.647 69.352,11.697 66.752,11.697 65.602,10.547 64.502,10.547 60.302,6.347 60.302,4.447 59.102,3.247 56.902,3.247 55.702,2.047 52.702,2.047 51.802,1.147 36.152,1.147 34.952,2.347 33.902,2.347 33.452,2.797 31.552,2.797 30.652,3.697 29.252,3.697 27.552,5.397 27.552,7.147 23.502,11.197 22.802,11.197 22.252,11.747 18.652,11.747 17.002,13.397 17.002,15.397 16.252,16.147 16.252,18.297 11.436,23.113 9.302,23.113 8.652,23.763 8.652,25.447 7.302,26.797 7.302,29.447 6.202,30.547 6.202,47.747 7.452,48.997 7.452,52.247 9.002,53.797 9.002,54.797 9.602,55.397 11.152,55.397 16.352,60.597 16.352,63.097 16.552,63.297 16.552,64.122 19.077,66.647 21.752,66.647 23.255,68.15 24.783,68.15 27.202,70.569 27.202,71.347 28.438,72.583

## Keep-outs
Top Layer:
  region: 17.75,45 15,45 15,44.2 17.75,44.2
  region: 13.5,45.127 10.375,45.127 10.375,43.882 13.5,43.882
  rectangle: 73.2,34.35 80.7,34.8
  rectangle: 80.3,34.55 80.7,41.35
  rectangle: 73.05,40.8 80.7,41.35
  rectangle: 71.25,38.5 75.25,39.75
  rectangle: 17.35,44.2 17.8,47.51
Ground Layer:
  region: 76.696,34.45 76.696,41.45 75.2,41.45 75.2,34.45
  region: 76.696,37.5 76.696,41.45 72.75,41.45 72.75,37.5
  region: 18.746,43.3 18.746,49.2 17.25,49.2 17.25,43.3
  region: 11.3,43.25 11.3,49.15 9.804,49.15 9.804,43.25
  rectangle: 9.8,43.25 18.8,46.05
Bottom Layer:
  region: 76.696,34.35 76.696,41.35 75.2,41.35 75.2,34.35
  region: 76.696,37.5 76.696,41.45 72.75,41.45 72.75,37.5
  rectangle: 10.8,44.5 11.4,49.046
  rectangle: 17.35,43.3 18.2,47.54
  rectangle: 10.8,44.45 18.2,46.05

## Other copper
Top Layer:
  rectangle net VBAT: 37.2,24.3 39.8,27.15
  rectangle net VBAT: 37.184,24.2 38.06,30.1
  region net NetC13_2: 42.585,64.975 42.585,66.025 41.785,66.025 41.785,64.975
  rectangle net GND: 19.5,38.5 23.35,39.75
  rectangle net GND: 22.5,39.7 29.85,40.6
  region: 58.85,31.05
Bottom Layer:
  region net VBAT: 32.55,32 32.55,25.665 38.75,25.665 38.75,32

## Silkscreen, mask and mechanical layers (free items; w line width, h text height)
Top Overlay:
  text "TEMP" at 55.75,61 h0.7
  text "LTNG" at 47.85,60.95 h0.7
  text "3V3_OUT" at 35.55,60.85 h0.7
  text "DEBUG" at 28.05,60.75 h0.7
  text "CS" at 50.323,52.1 h0.7
  text "CLK" at 52.65,52.1 h0.7
  text "MISO" at 55.25,52.1 h0.7
  text "MOSI" at 58.15,52.1 h0.7
  text "CLK" at 28.1,51.83 h0.7
  text "MISO" at 30.6,51.8 h0.7
  text "MOSI" at 33.5,51.8 h0.7
  text "CS" at 36.9,51.8 h0.7
  text "Ember" at 36.679,45.45 h4
  text "NET" at 47.351,45.45 h4
  text "Ram Alexiev '19 / www.designs-by-ram.com" at 9.4,26.078 h1
  text "TEMP" at 61.6,23.85 h0.7
Top Solder:
  lines w1: 5.6,39.201 ccw(c44.1,39.25) 8.965,23.508 ; 5.601,39.052 cw(c44.1,39.25) 9.013,55.099 ; 8.96,23.486 cw(c6.4,13.2) 16.644,15.925 ; 9.003,55.137 ccw(c6.35,65.4) 16.906,64.44 ; 16.651,15.807 ccw(c21.05,15.9) 18.941,12.039 ; 16.889,64.409 cw(c20.75,62.3) 20.657,66.699 ; 18.91,12.056 cw(c17.95,1.5) 28.213,4.153 ; 20.775,66.706 ccw(c18.05,76.95) 28.336,74.39 ; 28.251,4.163 ccw(c44.1,39.25) 44.298,0.751 ; 28.358,74.385 cw(c44.1,39.25) 44.051,77.75 ; 43.902,77.749 cw(c44.1,39.25) 59.949,74.337 ; 44.149,0.75 ccw(c44.1,39.25) 59.842,4.115 ; 59.864,4.11 cw(c70.15,1.55) 67.425,11.794 ; 59.987,74.347 ccw(c70.25,77) 69.29,66.444 ; 67.543,11.801 ccw(c67.45,16.2) 71.311,14.091 ; 69.259,66.461 cw(c67.15,62.6) 71.549,62.693 ; 71.294,14.06 cw(c81.85,13.1) 79.197,23.363 ; 71.556,62.575 ccw(c81.8,65.3) 79.24,55.014 ; 79.187,23.401 ccw(c44.1,39.25) 82.599,39.448 ; 79.235,54.992 cw(c44.1,39.25) 82.6,39.299
Bottom Solder:
  lines w1: 5.6,39.201 ccw(c44.1,39.25) 8.965,23.508 ; 5.601,39.052 cw(c44.1,39.25) 9.013,55.099 ; 8.96,23.486 cw(c6.4,13.2) 16.644,15.925 ; 9.003,55.137 ccw(c6.35,65.4) 16.906,64.44 ; 16.651,15.807 ccw(c21.05,15.9) 18.941,12.039 ; 16.889,64.409 cw(c20.75,62.3) 20.657,66.699 ; 18.91,12.056 cw(c17.95,1.5) 28.213,4.153 ; 20.775,66.706 ccw(c18.05,76.95) 28.336,74.39 ; 28.251,4.163 ccw(c44.1,39.25) 44.298,0.751 ; 28.358,74.385 cw(c44.1,39.25) 44.051,77.75 ; 43.902,77.749 cw(c44.1,39.25) 59.949,74.337 ; 44.149,0.75 ccw(c44.1,39.25) 59.842,4.115 ; 59.864,4.11 cw(c70.15,1.55) 67.425,11.794 ; 59.987,74.347 ccw(c70.25,77) 69.29,66.444 ; 67.543,11.801 ccw(c67.45,16.2) 71.311,14.091 ; 69.259,66.461 cw(c67.15,62.6) 71.549,62.693 ; 71.294,14.06 cw(c81.85,13.1) 79.197,23.363 ; 71.556,62.575 ccw(c81.8,65.3) 79.24,55.014 ; 79.187,23.401 ccw(c44.1,39.25) 82.599,39.448 ; 79.235,54.992 cw(c44.1,39.25) 82.6,39.299
Mechanical 13:
  lines w0.254: 4.971,39.256 ccw(c44.1,39.256) 8.518,22.976 cw(c6.426,13.213) 16.041,15.906 ccw(c21.05,15.906) 18.711,11.477 cw(c17.95,1.506) 27.693,3.758 ; 5,39.256 cw(c44.1,39.256) 8.604,55.653 ; 8.602,55.663 ccw(c6.35,65.406) 16.32,64.645 cw(c20.75,62.306) 20.75,67.315 ccw(c18.057,76.93) 27.82,74.838 cw(c44.1,39.256) 44.1,78.385 ; 27.703,3.76 ccw(c44.1,39.256) 44.1,0.156 ; 44.1,0.127 ccw(c44.1,39.256) 60.38,3.675 cw(c70.143,1.583) 67.45,11.197 ccw(c67.45,16.206) 71.88,13.867 cw(c81.85,13.106) 79.598,22.849 ; 44.1,78.356 cw(c44.1,39.256) 60.497,74.752 ; 60.507,74.755 ccw(c70.25,77.006) 69.489,67.036 cw(c67.15,62.606) 72.159,62.606 ccw(c81.774,65.299) 79.682,55.536 cw(c44.1,39.256) 83.229,39.256 ; 79.596,22.86 ccw(c44.1,39.256) 83.2,39.256